# Altium PCB DCAC_V2c.PcbDoc (part 5 of 7) (continued)
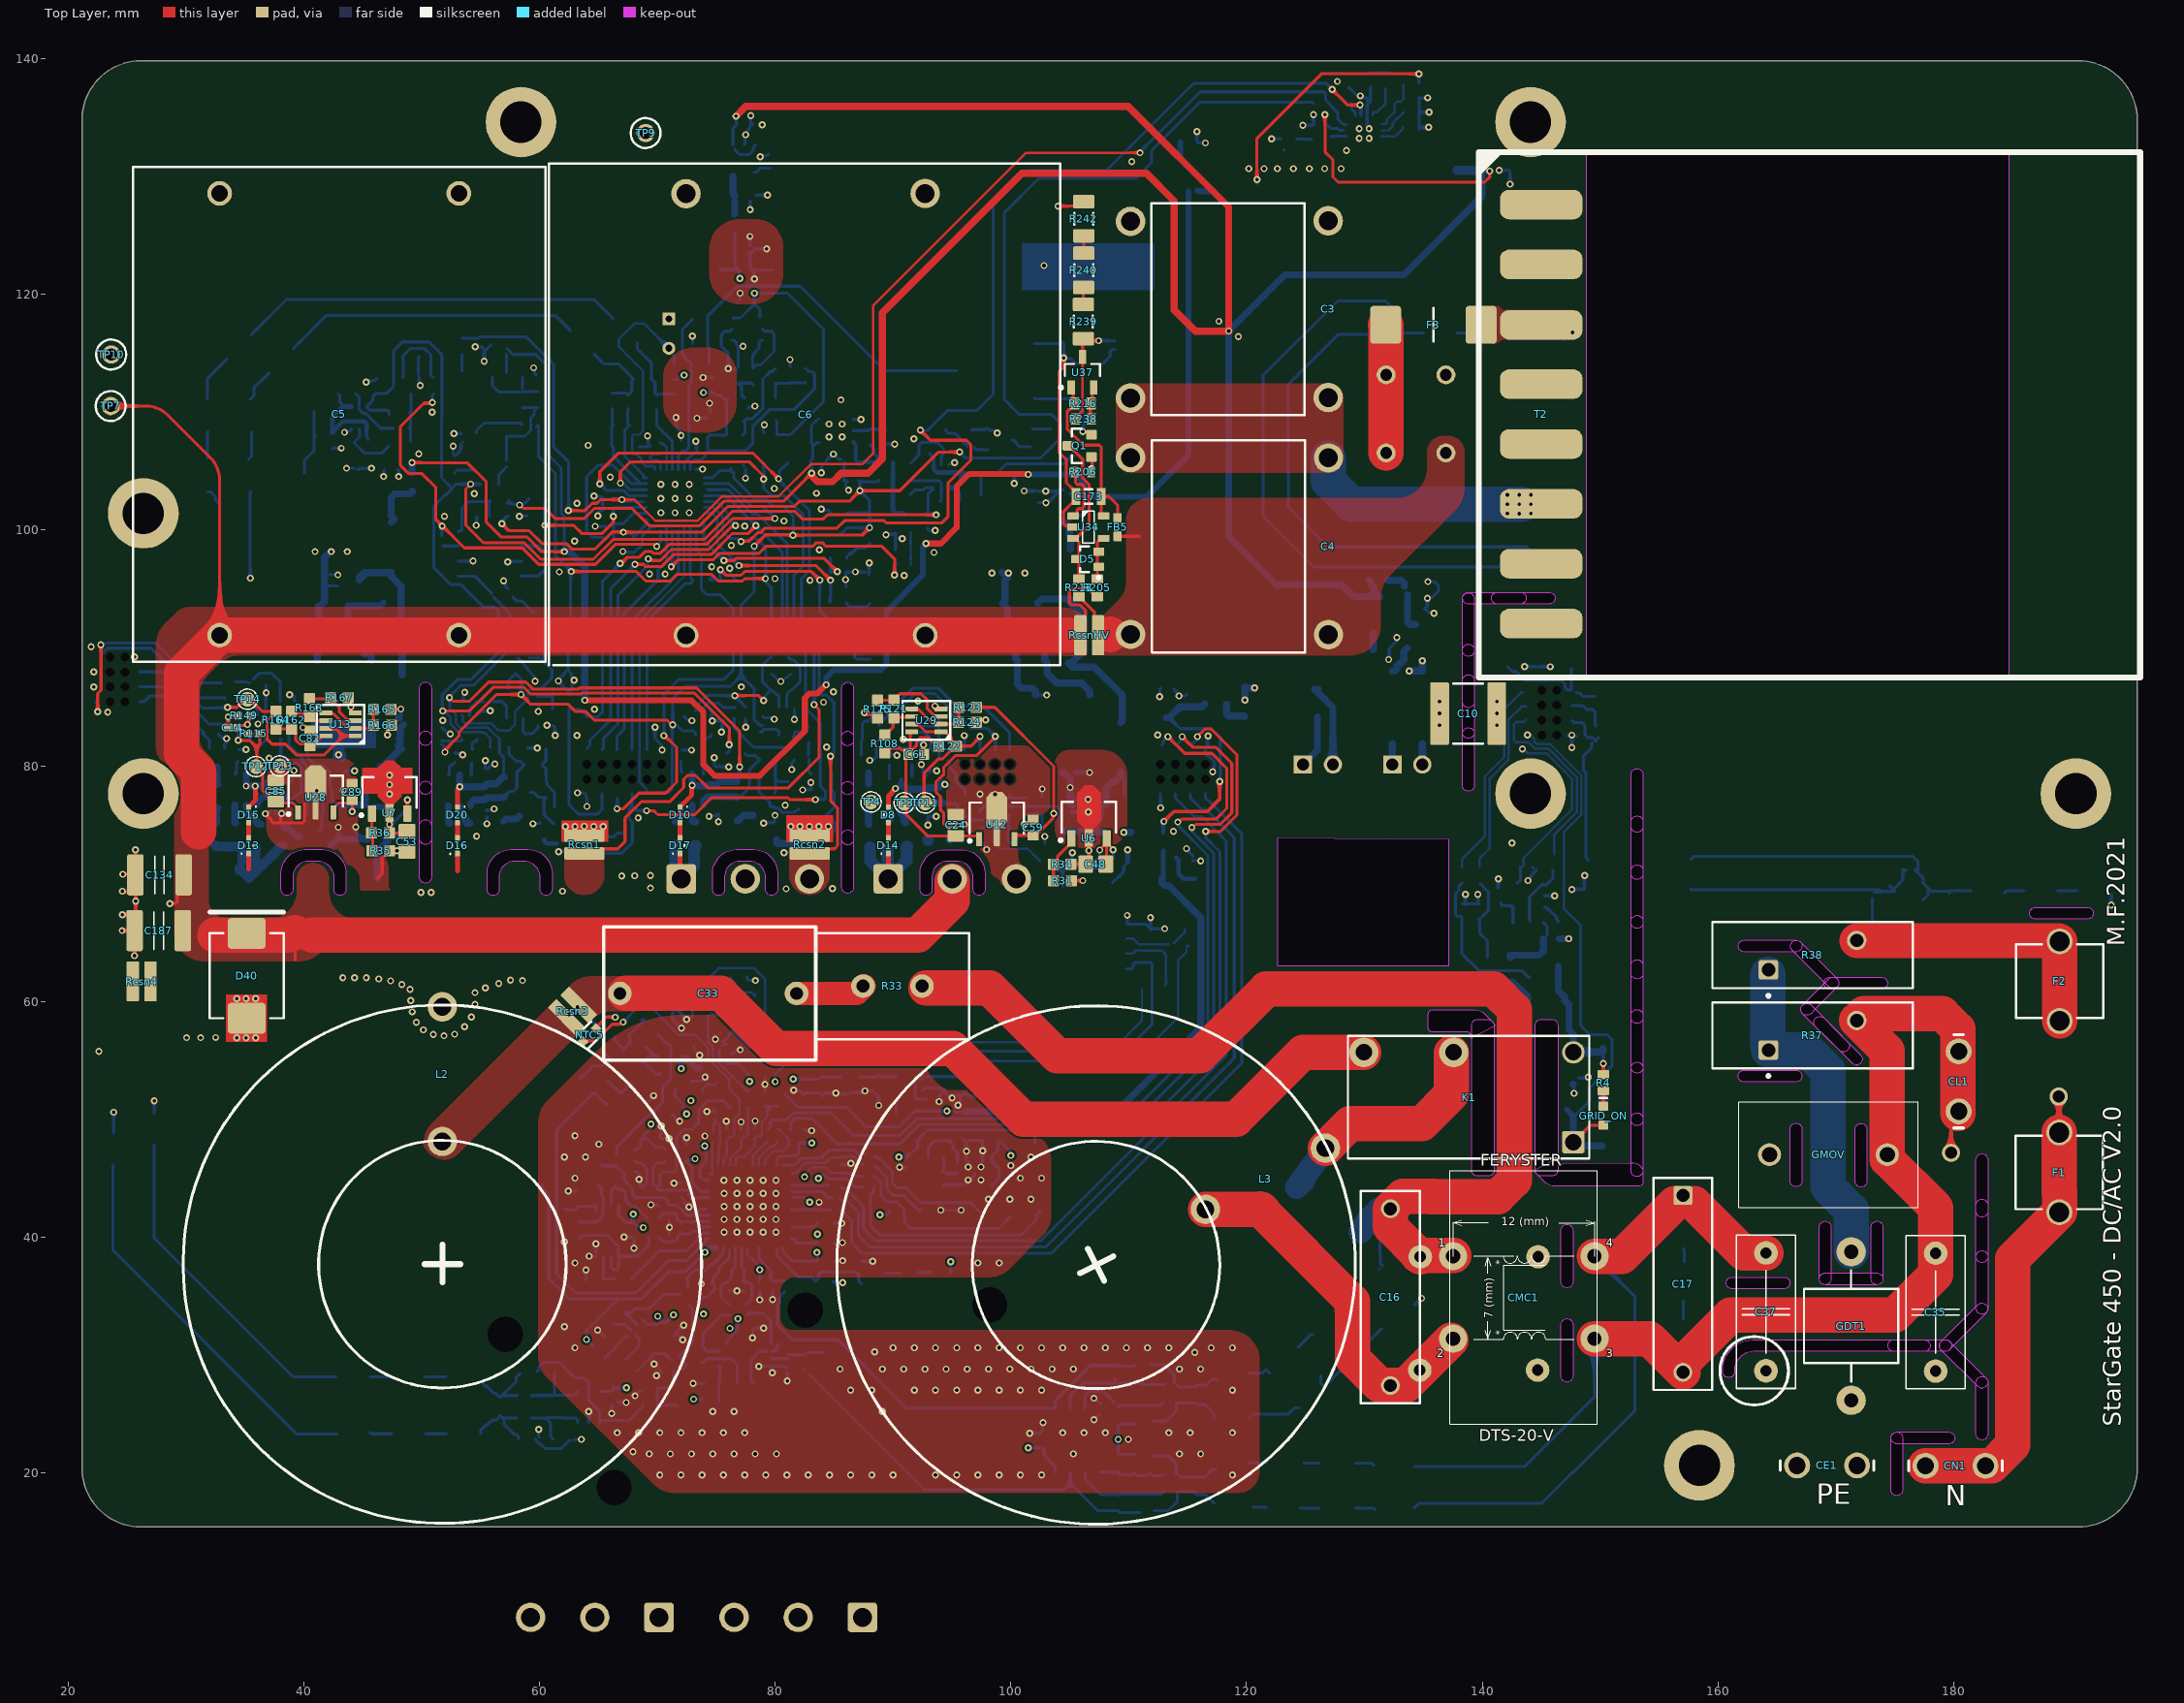
[diagram p0: Top Layer view]
## Nets (pads, with @x,y where several pads share a name; then routed paths per layer and width w, separated by ;. In a path a pad name is that pad's centre, name@x,y a point inside that pad or via, vN(x,y) a via of type N, cw(c..) or ccw(c..) an arc to the next point about the centre after c; other vN are vias at no path point) (continued)
NetC119_2: C119.2 R103.2 U16.2 | length 2
  Bottom Layer w0.254: U16.2@54.05,84.3 54.088,84.338 54.088,84.863 54.6,85.375 54.6,85.425 R103.2@55.25,85.425
NetC120_2: C120.2 R107.2 U15.2 | length 2.7
  Bottom Layer w0.254: U15.2@59.825,85.9 61.025,85.9 C120.2@61.1,85.975 ; R107.2@61.1,84.825 C120.2@61.1,85.975 ; C120.2@61.1,86.225 61.1,86.05 C120.2@61.1,85.975
NetC121_2: C121.2 R95.2 R253.1 U15.1 U16.1 | length 15.9
  Bottom Layer w0.203: U16.1@53.4,84.3 53.498,84.202 53.498,83.768 53.65,83.616 55.884,83.616 56.525,82.975 57.4,82.975 57.9,83.475 57.9,84.575 59.004,85.679 59.004,86.356 59.123,86.475 U15.1@59.375,86.475 ; R253.1@59.15,89.15 60.05,89.15 60.35,88.85 60.4,88.8
  Bottom Layer w0.254: U15.1@60.144,86.55 60.2,86.55 60.223,86.573 60.223,86.629 60.599,87.005 60.605,87.005 61.043,87.443 61.043,88.143 C121.2@61.05,88.15 60.35,88.85 60.35,90.05 R95.2@61.075,90.775
NetC124_2: C124.2 Q22.3 | length 1.5
  Bottom Layer w0.6: C124.2@76.8,75.325 76.85,75.325 77.3,75.775 Q22.3@78.119,75.775
NetC125_2: C125.2 Q34.3 | length 1.5
  Bottom Layer w0.6: C125.2@56.95,75.275 57.15,75.475 58.051,75.475 Q34.3@58.294,75.718
NetC129_2: C129.2 U14.4 | length 1.5
  Bottom Layer w0.254: U14.4@78.225,130.4 78.45,130.4 78.498,130.448 78.498,130.504 78.719,130.725 C129.2@79.575,130.725
NetC130_1: C130.1 D22.1 D22.2 R136.2 U8.3 | length 6.2
  Bottom Layer w0.254: R136.2@59.281,24.654 60.383,24.654 60.481,24.556 60.481,24.554 60.556,24.629 D22.2@60.606,24.679 ; D22.2@60.631,24.554 60.931,24.254 60.931,23.079 C130.1@61.156,22.854 ; D22.2@60.631,24.679 D22.1@61.906,24.679 61.956,24.629 63.058,24.629 63.231,24.456 U8.3@63.231,24.279
NetC133_2: C133.2 R60.2 U32.5 | length 4.2
  Bottom Layer w0.254: U32.5@78.614,39.106 78.614,38.161 79.607,37.168 79.607,36.458 C133.2@79.775,36.29 ; C133.2@79.95,36.207 79.95,36.24 79.993,36.283 80.793,36.283 R60.2@80.8,36.275
NetC135_2: C135.2 R68.2 U32.25 | length 4.8
  Bottom Layer w0.2: R68.2@74.739,48.833 R68.2@74.739,49.014 ; R68.2@74.75,49.025 R68.2@74.766,49.041 ; C135.2@75.077,49.63 75.087,49.63 75.303,49.414 75.303,47.767 75.186,47.65 75.186,46.57 75.164,46.548 75.164,46.156 U32.25@75.114,46.106
  Bottom Layer w0.254: R68.2@74.75,49.025 74.75,49.456 74.831,49.673 74.831,49.722 C135.2@74.925,49.922
NetC145_1: C145.1 D32.1 D32.2 R49.2 U19.3 | length 8.1
  Bottom Layer w0.254: U19.3@106.285,25.45 106.285,26.535 106.675,26.925 107.8,26.925 108.8,25.925 C145.1@108.8,25.9 ; C145.1@109.1,25.575 109.25,25.725 D32.2@110.5,25.725 D32.1@111.8,25.725 112.7,25.725 R49.2@112.9,25.925
NetC146_1: C146.1 R80.1 R83.1 R194.2 | length 7.1
  Bottom Layer w0.254: R194.2@111.8,29.15 113.05,29.15 113.852,28.348 113.852,27.698 R83.1@114.125,27.425 ; R83.1@114.125,27.4 114.25,27.275 C146.1@115.725,27.275 ; C146.1@115.725,27.425 116.606,27.425 116.802,27.621 116.802,27.677 117.05,27.925 R80.1@117.5,27.925
NetC146_2: C146.2 R40.1 R47.1 R49.1 | length 6.7
  Bottom Layer w0.254: R40.1@112.1,24.375 113.175,24.375 114.043,25.243 114.043,25.843 R49.1@114.125,25.925 ; R49.1@114.225,25.925 C146.2@115.725,25.925 ; C146.2@115.775,25.85 115.857,25.768 116.457,25.768 117.25,24.975 R47.1@117.25,24.65
NetC147_1: C147.1 D32.3 R83.2 U19.2 | length 9.9
  Bottom Layer w0.254: U19.2@105.015,25.45 105.015,26.515 105.5,27 105.55,27.05 106.1,27.6 111.125,27.6 D32.3@111.15,27.625 ; C147.1@108.777,27.998 108.902,27.873 C147.1@108.902,27.752 ; D32.3@111.15,27.475 R83.2@113.05,27.475
NetC149_2: C149.2 Q16.1 R43.1 | length 13.2
  Bottom Layer w0.254: R43.1@138.3,70.05 138.293,70.05 138.02,69.777 138.02,69.424 137.745,69.149 137.745,67.38 137.902,67.223 138.177,67.223 138.25,67.15 138.25,64.075 139.71,62.615 143.36,62.615 143.925,62.05 Q16.1@144,62.05
NetC151_2: C151.2 U4.4 | length 1.2
  Bottom Layer w0.254: C151.2@90.235,50.5 90.273,50.538 U4.4@90.273,51.717
NetC154_1: C154.1 R190.1 R196.1 R197.1 | length 6.1
  Bottom Layer w0.254: R190.1@55.175,27.675 55.175,27.568 55.414,27.33 55.52,27.33 56.098,26.752 56.258,26.752 56.631,26.379 C154.1@56.631,26.354 C154.1@56.831,26.554 ; R196.1@58.106,26.554 C154.1@56.831,26.554 ; R197.1@58.331,28.404 58.016,28.089 58.016,27.739 57.029,26.752 57.004,26.752 56.831,26.579 C154.1@56.831,26.554
NetC154_2: C154.2 R44.1 R135.1 R136.1 | length 6.2
  Bottom Layer w0.254: R135.1@55,23.275 55,23.6 55.448,24.048 55.548,24.048 55.965,24.465 56.315,24.465 C154.2@56.5,24.65 ; C154.2@56.631,24.854 C154.2@56.831,24.654 ; R136.1@58.081,24.654 C154.2@56.831,24.654 ; R44.1@58.231,22.879 58.231,23.029 58.033,23.227 57.883,23.227 56.972,24.139 56.972,24.514 C154.2@56.831,24.654
NetC157_2: C157.2 FB19.1 R6.2 U25.3 | length 5
  Bottom Layer w0.254: R6.2@92.965,46.767 92.965,47.59 93.277,47.902 93.277,47.977 93.5,48.2 FB19.1@93.575,48.2 ; FB19.1@93.575,48.167 C157.2@94.89,48.167 ; C157.2@94.865,48.067 95.088,47.844 95.088,47.519 95.465,47.142 U25.3@95.465,46.342
NetC159_2: C159.2 R215.1 U26.5 U26.6 | length 7.6
  Bottom Layer w0.254: R215.1@78.1,113.807 C159.2@78.1,114.85 ; R215.1@78.125,113.75 78.387,114.012 78.747,114.012 79.9,115.165 79.9,116.65 79.673,116.877 79.098,116.877 U26.5@78.925,117.05 ; C159.2@78.225,114.875 78.225,115.025 78.619,115.419 78.619,115.927 78.792,116.1 U26.6@78.925,116.1
NetC166_1: C166.1 D22.3 R196.2 U8.4 | length 5.9
  Bottom Layer w0.254: R196.2@59.306,26.554 D22.3@61.156,26.554 ; C166.1@61.256,28.475 61.256,26.704 D22.3@61.256,26.579 63.058,26.579 63.231,26.752 U8.4@63.231,26.879
NetC166_2: C166.2 R137.2 R197.2 U8.1 | length 13.8
  Bottom Layer w0.254: R197.2@59.756,28.579 59.954,28.777 59.954,29.013 60.316,29.375 61.685,29.375 62.258,28.802 62.258,28.752 62.606,28.404 C166.2@62.656,28.404 ; C166.2@62.656,28.379 62.979,28.056 63.779,28.056 64.156,27.679 64.156,26.154 65.106,25.204 65.106,24.204 65.106,24.254 U8.1@65.131,24.279 65.256,24.404 U8.1@65.256,24.42 ; U8.1@65.272,24.42 67.574,24.42 68.796,25.642 R137.2@68.796,25.692
NetC168_1: C168.1 R211.2 R212.1 U24.4 | length 3.9
  Bottom Layer w0.254: U24.4@80.025,111.225 80.025,112.425 80,112.45 81.15,112.45 R212.1@81.225,112.525 81.25,112.5 82.55,112.5 R211.2@82.575,112.525
NetC168_2: C168.2 R214.2 U24.1 | length 7.3
  Bottom Layer w0.254: R214.2@77.225,108.05 77.425,108.25 77.425,109.152 77.352,109.225 77.325,109.225 77.568,109.468 78.068,109.468 78.95,110.35 78.95,112.825 79.577,113.452 79.752,113.452 C168.2@80,113.7
NetC170_2: C170.2 R215.2 U24.3 | length 3.7
  Bottom Layer w0.254: C170.2@76.85,112.425 76.875,112.425 76.925,112.475 78,112.475 R215.2@78.125,112.35 ; C170.2@76.9,112.425 77.148,112.177 U24.3@77.148,111.398 ; U24.3@77.148,111.398 U24.3@77.252,111.398 ; U24.3@77.148,111.398 77.321,111.225 U24.3@77.425,111.225 ; U24.3@77.252,111.398 U24.3@77.425,111.225 ; U24.3@77.252,111.398 U24.3@77.425,111.225 ; U24.3@77.252,111.398 U24.3@77.425,111.225
NetC173_1: C173.1 D42.1 Q2.1 Q6.3 U34.2 | length 21.5
  Top Layer w0.254: v1(104.475,114.625) 104.475,113.825 104.075,113.425 104.075,106.6 104.7,105.975 104.7,104.025 105.277,103.448 105.525,103.2 105.525,102.5 105.277,102.252 105.14,102.252 104.47,101.582 104.47,100.53 104.619,100.381 105.144,100.381 U34.2@105.275,100.25
  Bottom Layer w0.254: Q2.1@101.975,115.825 104.15,115.825 104.308,115.983 104.475,115.817 v1(104.475,114.625) ; v1@104.525,114.625 104.591,114.559 105.066,114.559 105.5,114.125 D42.1@105.65,114.125
NetC173_2: C173.2 FB5.1 R216.2 U34.5 U37.1 | length 15.9
  Top Layer w0.254: U37.1@105.125,112.1 105.125,111.925 105.288,111.762 R216.2@105.288,110.912 ; R216.2@105.4,110.75 105.4,110.7 104.77,110.07 104.77,108.585 106.145,107.21 107.496,107.21 107.675,107.031 C173.2@107.675,102.85 ; U34.5@107.875,101.2 107.848,101.2 107.675,101.373 C173.2@107.675,102.85 ; FB5.1@109.05,101.025 109.05,102.125 108.325,102.85 C173.2@107.675,102.85
NetC174_2: C174.2 R246.2 U30.5 | length 2.8
  Bottom Layer w0.254: R246.2@65.525,29.75 65.565,29.75 66.405,30.59 66.41,30.59 66.41,30.646 67.307,31.544 67.456,31.544 U30.5@67.5,31.5
NetC177_1: C177.1 R258.2 | length 1.3
  Bottom Layer w0.254: R258.2@124.26,133.175 125.44,133.175 C177.1@125.515,133.1
NetC177_2: C177.2 U40.2 | length 1.3
  Bottom Layer w0.254: C177.2@127.155,133.405 127.175,133.425 U40.2@128.475,133.425
NetC178_1: C178.1 R247.2 | length 1.4
  Bottom Layer w0.508: C178.1@114.325,131.575 114.375,131.625 R247.2@114.375,132.925
NetC179_2: C179.2 C180.2 C181.2 C182.2 D35.2 FB7.1 R198.2 | length 20.6
  Top Layer w0.254: v1(120.875,129.75) 120.875,133.25 126.35,138.725 v1(134.625,138.725)
  Bottom Layer w0.254: v1(120.875,129.75) 120.9,129.725 120.9,129.4 ; R198.2@134.625,137.95 v1@134.625,138.7
NetC183_1: C183.1 R251.2 | length 1.6
  Bottom Layer w0.254: R251.2@130.5,138.825 C183.1@132.125,138.825
NetC183_2: C183.2 C185.2 U40.8 | length 2.9
  Bottom Layer w0.203: U40.8@130.7,135.2 130.7,135.4 130.773,135.473 131.073,135.473 131.8,136.2 C183.2@131.8,137.475
NetC184_2: C184.2 U40.10 | length 2.6
  Bottom Layer w0.203: U40.10@131.475,133.925 132.05,133.925 132.389,134.264 132.389,134.539 132.927,135.077 132.977,135.077 133.3,135.4 C184.2@133.3,135.45
NetC186_1: C186.1 R257.2 | length 1.4
  Bottom Layer w0.6: R257.2@130.7,89.845 130.75,89.895 130.75,91.245 C186.1@130.76,91.255
NetC190_2: C190.2 U38.4 | length 1.8
  Bottom Layer w0.2: C190.2@73.777,52.223 73.777,52.502 74.291,53.016 74.457,53.016 74.571,52.902 74.854,52.902 U38.4@74.996,53.044
NetCN1_1: CN1.1 CN1.2 F1.1 F1.2 R27.2 TP26.1 | length 59.2
  Top Layer w0.254: TP26.1@188.915,51.925 188.942,51.898 188.942,48.653 F1.2@188.96,48.635
  Top Layer w3: CN1.1@177.62,20.59 CN1.2@182.7,20.59 183.248,20.59 185.005,22.347 185.005,38.145 F1.1@188.97,42.11 188.995,42.135 188.995,43.795 ; 188.97,43.815 F1.2@188.97,48.87
  BOTT_RTN w0.254: TP26.1@188.915,51.925 193.375,56.385 v1(193.375,68.175) v1@193.375,68.25
  Bottom Layer w0.254: F1.2@188.97,48.87 F1.2@189.314,49.214 ; R27.2@193.325,69.15 193.375,69.1 v1(193.375,68.175)
NetD2_1: D2.1 R84.1 U32.37 | length 6.8
  Bottom Layer w0.2: U32.37@81.663,45.38 82.58,46.297 84.275,46.297 84.458,46.48 84.458,46.493 84.72,46.755 D2.1@85.58,46.755
  Bottom Layer w0.254: U32.37@81.42,45.355 U32.37@81.444,45.379 ; D2.1@85.58,46.735 85.648,46.803 86.118,46.803 86.169,46.855 86.671,46.855 87.327,46.198 87.447,46.198 R84.1@87.51,46.135
NetD2_4: D2.4 R200.1 U32.41 | length 8.3
  TOP_RTN w0.5: v1@82.945,42.975 82.93,42.99 82.93,44.231 83.655,44.956 v1(83.655,44.983)
  Bottom Layer w0.254: U32.41@81.52,43.365 81.529,43.356 82.451,43.356 82.836,42.97 v1(82.93,42.97) ; v1(83.655,44.983) 83.708,44.983 84.085,45.36 84.52,44.925 86.075,44.925 86.735,44.265 R200.1@87.43,44.265
NetD2_5: D2.5 R109.1 U32.36 | length 7.8
  Bottom Layer w0.254: U32.36@80.614,46.106 81.636,46.106 82.232,46.702 83.562,46.702 83.59,46.73 83.59,46.77 84.02,46.77 84.053,46.803 84.053,46.874 84.554,47.375 86.761,47.375 87.094,47.042 87.649,47.042 R109.1@87.662,47.03
NetD5_1: D5.1 D5.2 R205.2 U34.4 | length 3.6
  Top Layer w0.254: R205.2@107.325,95.85 107.325,98.95 107.6,99.225 U34.4@107.7,99.225
NetD5_3: D5.3 Q1.3 R213.2 U34.3 | length 12.9
  Top Layer w0.254: Q1.3@104.9,107.15 104.95,107.15 106.08,106.02 106.08,104.437 106.637,103.88 106.637,100.424 105.685,99.473 105.648,99.473 105.475,99.3 U34.3@105.275,99.3 ; U34.3@105.475,99.25 105.525,99.25 105.775,99 105.775,97.525 R213.2@105.775,95.85
NetD8_2: D8.2 D14.2 | length 1.3
  Top Layer w0.4: D14.2@89.6,73.885 D8.2@89.6,75.15
NetD10_2: D10.2 D17.2 | length 1.3
  Top Layer w0.4: D10.2@71.925,75.165 71.925,73.925 D17.2@71.95,73.9
NetD11_1: D11.1 IC1.23 R112.1 | length 16.2
  Top Layer w0.254: v1(76.925,96.988) 83.449,96.988 v1(84.69,95.747)
  Bottom Layer w0.254: IC1.23@73.975,101.425 73.977,101.423 74.641,101.423 74.796,101.268 74.807,101.268 75.085,100.99 75.085,98.828 v1(76.925,96.988) ; R112.1@84.625,93.875 84.65,93.9 84.65,94.312 84.7,94.363 84.7,95.102 84.69,95.112 v1(84.69,95.747)
NetD12_1: D12.1 IC1.24 R111.1 | length 16.1
  Top Layer w0.254: v1(75.638,97.42) 76.501,97.42 76.674,97.593 84.157,97.593 v1(85.275,96.475)
  Bottom Layer w0.254: IC1.24@73.95,100.875 73.95,99.108 v1(75.638,97.42) ; R111.1@84.675,97.625 84.69,97.61 D12.1@84.69,96.425 85.225,96.425 v1(85.275,96.475)
NetD13_2: D13.2 D15.2 | length 1.3
  Top Layer w0.4: D13.2@35.325,73.885 D15.2@35.325,75.165
NetD16_2: D16.2 D20.2 | length 1.4
  Top Layer w0.4: D16.2@53.025,73.835 53.025,75.19 D20.2@53.025,75.2
NetD18_1: D18.1 D19.2 | length 1.3
  Bottom Layer w0.8: D18.1@150.2,51.01 150.225,51.035 D19.2@150.225,52.3
NetD19_1: D19.1 K1.4 Q16.3 R4.1 R10.2 | length 12.4
  Top Layer w0.254: v1(150.275,54.725) 150.275,53.975 R4.1@150.325,53.925
  Bottom Layer w0.254: D19.1@150.262,55.712 150.262,54.738 v1(150.275,54.725)
  Bottom Layer w0.6: Q16.3@146.45,62.975 146.45,60.925 146.975,60.4 R10.2@146.975,60.125 147.35,59.75 147.35,59.124 147.35,57.585 147.73,57.205 K1.4@147.73,55.675 ; K1.4@147.827,55.81 147.925,55.712 150.188,55.712 150.25,55.775 D19.1@150.25,56.025
NetD25_1: D25.1 D26.K Q4.1 Q9.4 R24.1 | length 13.3
  Bottom Layer w0.254: Q4.1@102.275,86.075 ccw(c102.35,86.075) 102.35,86 v1(103.025,86)
  Bottom Layer w0.6: Q9.4@99.232,96.439 99.725,95.946 99.668,95.946 99.497,95.775 99.497,93.997 R24.1@99.3,93.8 99.725,93.375 99.725,91.875 100.375,91.225 100.375,90.542 100.392,90.525 100.392,89.058 D25.1@100.475,88.975 ; D25.1@100.55,88.975 100.55,86.926 100.901,86.575 101.85,86.575 102.1,86.325 102.1,86.075 Q4.1@102.1,86
  other v1: 98.375,96.35 99.775,96.35 101.175,96.35
NetD27_1: D27.1 D28.K Q5.1 Q11.4 R30.1 | length 11.7
  Bottom Layer w0.254: R30.1@42.1,95.25 42.825,95.25 ccw(c42.825,95.275) 42.85,95.275 ; R30.1@42.225,96.225 ccw(c42.25,96.225) 42.25,96.2 v1(42.875,96.2)
  Bottom Layer w0.6: Q5.1@41.125,89.175 Q5.1@41.125,88.95 41.125,90.875 41.1,90.9 40.85,90.9 D27.1@41.275,91.325 41.25,91.35 D28.K@41.25,93.575 ; D28.K@41.25,93.525 D28.K@41.25,93.575 ; R30.1@41.75,95.475 41.75,93.926 41.399,93.575 D28.K@41.25,93.575 ; R30.1@41.75,95.75 41.75,97.675 Q11.4@42.3,98.225
  other v1: 40.95,98.175 42.325,98.175 43.675,98.175
NetD29_1: D29.1 Q28.3 R150.2 R155.1 | length 8.2
  Bottom Layer w0.254: Q28.3@38.65,83.475 38.73,83.395 38.73,81.745 39.425,81.05 R150.2@39.45,81.05 ; R150.2@39.5,80.975 39.848,80.627 39.848,80.358 40.237,79.97 40.237,76.987 40.233,76.983 40.233,75.843 D29.1@40.215,75.825
NetD29_2: D29.2 Q27.1 R155.2 TP19.1 | length 4.8
  Bottom Layer w0.254: TP19.1@41.275,78.975 41.275,78.8 41.685,78.39 41.685,77.035 R155.2@41.65,77 41.593,76.943 41.593,75.882 D29.2@41.535,75.825 41.535,74.666 41.444,74.575 Q27.1@41.276,74.575
NetD30_1: D30.1 Q31.3 R188.1 R209.1 | length 3.8
  Bottom Layer w0.254: R188.1@99.825,75.825 99.8,75.8 99.8,74.775 99.863,74.712 99.775,74.625 99.77,74.62 99.77,73.49 99.78,73.5 99.81,73.5 99.845,73.465 100.19,73.465 100.502,73.777 100.502,73.952 100.625,74.075 Q31.3@100.8,74.075
NetD30_2: D30.2 Q30.1 R209.2 TP8.1 | length 6.8
  Bottom Layer w0.2: Q30.1@97.426,74.75 98.35,74.75 98.49,74.61 98.49,73.525 D30.2@98.49,73.5 ; D30.2@98.525,73.505 99.08,72.95 101.425,72.95 TP8.1@102.475,71.9
NetD33_1: D33.1 Q32.3 R143.2 R229.1 | length 4.3
  Bottom Layer w0.254: D33.1@79.925,77.675 80.025,77.775 R229.1@80.025,78.875 ; R229.1@80,79.025 R229.1@80,78.9 ; R143.2@80.175,80.525 80,80.35 R229.1@80,78.9 ; Q32.3@81.125,78.65 80.275,78.65 80.05,78.875 R229.1@80.025,78.875 ; R229.1@80,78.9 R229.1@80.025,78.875 ; R229.1@80,78.9 R229.1@80.025,78.875
NetD33_2: D33.2 Q22.1 R229.2 TP52.1 | length 5.6
  Bottom Layer w0.254: R229.2@78.6,79.025 78.607,79.018 78.607,77.768 D33.2@78.65,77.725 ; D33.2@78.615,77.775 78.655,77.775 79.548,76.882 79.548,76.591 79.614,76.525 Q22.1@79.8,76.525 ; Q22.1@79.876,76.5 79.967,76.409 80.23,76.409 80.597,76.043 81.618,76.043 81.875,76.3 TP52.1@82.025,76.3
NetD34_1: D34.1 Q35.3 R175.2 R235.1 | length 5.6
  Bottom Layer w0.254: Q35.3@60.525,81.45 60.525,81.421 60.548,81.398 60.548,80.423 R175.2@60.2,80.075 60.548,79.727 60.548,79.308 60.575,79.281 D34.1@60.575,78.7 ; D34.1@60.575,78.62 D34.1@60.575,78.66 60.648,78.587 60.648,78.352 61.25,77.75 R235.1@61.25,76.475
NetD34_2: D34.2 Q34.1 R235.2 TP54.1 | length 4.3
  Bottom Layer w0.254: TP54.1@59.225,77.75 59.467,77.75 59.877,77.34 D34.2@60.575,77.34 60.575,77.3 60.379,77.104 60.379,76.504 Q34.1@60.337,76.463 ; Q34.1@60.325,76.475 Q34.1@60.337,76.463 ; R235.2@61.225,75.125 61.125,75.125 60.379,75.871 60.379,76.421 Q34.1@60.337,76.463
NetD35_1: D35.1 L7.2 U40.12 U40.13 U40.14
NetD39_1: D39.1 K1.3 L3.2 | length 20.5
  Top Layer w3: L3.2@126.688,47.542 128.771,49.625 134.875,49.625 137.372,52.122 K1.3@137.372,55.65
  Bottom Layer w2: D39.1@124.247,44.218 D39.1@124.853,44.824 ; D39.1@124.6,44.7 L3.2@126.688,47.542
NetD41_1: D41.1 R171.1 R177.2 | length 16.1
  Top Layer w0.254: v1(75.34,96.637) 75.37,96.637 75.837,96.17 77.095,96.17 77.414,96.489 83.056,96.489 v1(83.785,95.76)
  Bottom Layer w0.254: R177.2@74.45,95.8 74.475,95.775 D41.1@75.365,95.775 75.353,95.787 75.353,96.547 75.302,96.598 v1@75.3,96.6 ; R177.2@74.45,95.925 R177.2@74.623,96.098 ; v1(83.785,95.76) 83.775,95.75 83.775,93.15 84.725,92.2 R171.1@84.725,91.125
NetD42_2: D42.2 Q6.1 R238.1 R239.1 U37.3 | length 11.7
  Top Layer w0.2: 106.08,110.105 U37.3@106.08,114.695
  Top Layer w0.254: R238.1@105.475,109.425 105.475,109.5 106.08,110.105 ; U37.3@106.075,114.7 106.075,116.125 R239.1@106.1,116.15 ; R239.1@106.15,116.25 106.325,116.075 v1(107.45,116.075)
  Bottom Layer w0.254: v1(107.45,116.075) 108.8,116.075 Q6.1@108.85,116.025 ; D42.2@107.65,114.125 107.8,114.125 108.433,114.758 108.433,115.178 108.606,115.35 Q6.1@108.825,115.35
NetF3_1: F3.1 R2.2 T2.14 | length 1.6
  Top Layer w0.254: T2.14@147.35,116.675 147.45,116.775 v1(147.65,116.775)
  Bottom Layer w0.254: R2.2@146.975,116.125 146.975,116.652 147.098,116.775 v1(147.65,116.775)
NetGDT1_1: GDT1.1 R37.1 R38.1 | length 27.7
  Bottom Layer w3: 164.205,57 ccw(c164.205,57.025) 164.23,57.025 R38.1@164.23,62.3 ; R37.1@164.255,56.25 R37.1@164.255,56.61 ; R37.1@164.28,55.875 167.573,55.875 169.33,54.118 169.33,44.27 171.3,42.3 GDT1.1@171.3,38.75 ; R37.1@164.295,55.975 R37.1@164.337,55.933
NetGRID_ON_1: GRID_ON.1 R4.2 | length 1.6
  Top Layer w0.3: GRID_ON.1@150.275,51.1 150.275,52.2 150.5,52.2 150.3,52.4 R4.2@150.275,52.4
NetJ1_2: J1.2 R51.2 | length 67.5
  Bottom Layer w0.254: R51.2@85.55,42.3 86.478,41.373 86.478,39.522 87.37,38.63 103.435,38.63 119.6,54.795 119.6,74.21 116.788,77.022 116.748,77.022 116.505,77.265 J1.2@116.505,77.63
NetJ1_4: J1.4 R118.2 | length 67.1
  Bottom Layer w0.254: R118.2@85.54,43.24 85.672,43.108 86.067,43.108 87.053,42.122 87.053,40.122 88.01,39.165 102.94,39.165 118.95,55.175 118.95,73.915 116.565,76.3 116.2,76.3 115.235,77.265 J1.4@115.235,77.63
NetJ1_5: J1.5 R217.1 TP35.1 | length 74.4
  Top Layer w0.254: v1(114.525,82.475) 115.425,81.575 117.375,81.575 118.743,80.207 118.743,76.004 117.769,75.03 115.677,75.03 115.417,74.77 v1(115.355,74.77)
  Bottom Layer w0.254: R217.1@81.242,49.092 81.347,49.197 81.347,49.741 81.686,50.08 82.814,50.08 82.819,50.075 83.1,50.075 85.275,47.9 90.56,47.9 92.21,49.55 110.23,49.55 117.215,56.535 117.215,72.56 116.708,73.067 115.408,74.367 115.408,74.717 v1(115.355,74.77) ; J1.5@114.075,81.744 114.075,81.845 114.208,81.978 114.269,81.978 114.459,82.167 114.459,82.409 v1(114.525,82.475)
NetJ1_6: J1.6 R120.2 | length 66.7
  Bottom Layer w0.254: R120.2@85.535,44.27 85.664,44.141 85.954,44.141 87.484,42.611 87.484,40.691 88.475,39.7 102.54,39.7 118.275,55.435 118.275,73.614 116.212,75.677 115.553,75.677 J1.6@114.023,77.207 ; J1.6@113.943,77.207 J1.6@114.023,77.207 ; J1.6@113.965,77.63 113.965,77.265 J1.6@114.023,77.207
NetJ1_7: J1.7 R182.1 TP36.1 | length 76.7
  Top Layer w0.254: v1(113.325,82.475) 114.75,81.05 117.05,81.05 118.311,79.789 118.311,76.386 117.387,75.462 114.477,75.462 114.24,75.225 v1(114.155,75.225)
  Bottom Layer w0.254: R182.1@79.425,49.175 79.573,49.323 79.573,49.753 79.77,49.95 80.946,49.95 81.582,50.587 81.728,50.587 81.746,50.568 84.714,50.568 86.657,48.625 90.575,48.625 92,50.05 109.7,50.05 116.71,57.06 116.71,72.39 114.221,74.879 114.221,75.159 v1(114.155,75.225) ; J1.7@112.825,81.764 112.938,81.877 112.938,82.088 v1(113.325,82.475)
NetJ4_1: J4.1 R153.1 | length 4.6
  Bottom Layer w0.254: J4.1@26.045,85.42 26.41,85.42 26.93,85.94 28.685,85.94 29.685,84.94 29.685,84.625 R153.1@29.655,84.595
NetJ4_2: J4.2 R154.1 | length 18.4
  Top Layer w0.254: v1(22.5,84.6) 22.5,86.137 22.788,86.424 22.788,90.242 v1(22.765,90.265)
  Bottom Layer w0.254: J4.2@22.305,85.42 22.5,85.225 v1(22.5,84.6) ; v1(22.765,90.265) 22.831,90.331 23.076,90.331 23.152,90.407 27.418,90.407 30.8,87.025 R154.1@33.002,87.025
NetJ4_8: J4.8 R144.1 | length 12.7
  Bottom Layer w0.254: J4.8@22.865,89.375 22.865,89.51 23.331,89.975 27.025,89.975 31.225,85.775 R144.1@33.3,85.775 ; R144.1@33.15,85.825 R144.1@33.303,85.672
NetJ5_1: J5.1 R195.1 | length 15.9
  Bottom Layer w0.254: R195.1@88.8,83.475 88.8,83.575 89.023,83.798 89.093,83.798 89.545,84.25 89.545,85.139 89.821,85.415 90.485,85.415 91.645,86.575 93.85,86.575 95.35,85.075 97.6,85.075 99.905,82.77 J5.1@99.905,81.37
NetJ5_2: J5.2 R208.1 | length 2.3
  Bottom Layer w0.254: J5.2@99.662,77.275 99.905,77.518 J5.2@99.905,77.63 99.905,77.505 99.905,77.275 R208.1@101.35,77.275
NetJ5_8: J5.8 R172.1 | length 3.4
  Bottom Layer w0.254: R172.1@94.666,80.442 94.773,80.335 94.773,80.178 94.773,79.893 95.305,79.362 95.305,78.701 95.815,78.19 95.852,78.19 96.095,77.947 J5.8@96.095,77.63
NetLED2_1: LED2.1 R114.1 | length 1.2
  Bottom Layer w0.254: R114.1@92.125,36.975 92.15,37 LED2.1@93.275,37
NetLED3_1: LED3.1 R116.2 | length 1.5
  Bottom Layer w0.254: R116.2@101.825,108.575 LED3.1@103.375,108.575
NetQ1_1: Q1.1 R206.2 | length 1.3
  Top Layer w0.254: R206.2@106.82,104.9 R206.2@106.87,104.95 ; R206.2@106.9,104.95 Q1.1@106.9,106.2
NetQ1_2: Q1.2 Q2.3 | length 7.2
  Top Layer w0.254: v1(106.1,108.35) 106.65,108.35 Q1.2@106.9,108.1
  Bottom Layer w0.254: Q2.3@101.975,111.225 102.075,111.125 104.925,111.125 106.166,109.884 106.166,108.416 v1(106.1,108.35)
NetQ2_2: Q2.4 R241.2 R243.1 | length 29.3
  Bottom Layer w0.254: R243.1@74.4,114.1 74.375,114.125 74.375,115.5 74.275,115.6 74.275,118.205 76.774,120.705 82.114,120.705 89.294,113.525 Q2.4@95.375,113.525
NetQ3_2: Q3.2 Q16.2 R152.2 R259.2 | length 5.4
  Bottom Layer w0.254: R259.2@145.23,66.655 145.495,66.39 R152.2@145.495,65.62
  Bottom Layer w0.6: Q3.2@142.35,63.725 142.35,63.925 144.849,63.925 145.2,64.276 R152.2@145.2,65.325
NetQ3_3: Q3.3 R10.1 | length 3.4
  Bottom Layer w0.6: Q3.3@141.4,61.425 141.4,61.625 142.487,61.625 142.512,61.65 142.575,61.65 143.825,60.4 R10.1@143.825,60.125
NetQ7_3: Q7.3 R114.2 | length 1.3
  Bottom Layer w0.254: Q7.3@89.35,36.975 89.375,36.95 90.6,36.95 R114.2@90.625,36.975
NetQ8_1: Q8.1 Q8.4 R66.2 R71.1 R74.1 | length 7.9
  Bottom Layer w0.254: R66.2@93.1,106.5 93.298,106.302 93.298,106.283 93.45,106.131 Q8.1@93.45,105.5
  Bottom Layer w0.4: Q8.1@93.45,105.5 93.45,105.166 93.744,104.872 R71.1@95.997,104.872 ; Q8.4@94.75,103.55 Q8.4@94.75,103.6 95.15,103.6 95.576,103.174 95.576,102.551 R74.1@95.475,102.45 ; Q8.4@94.925,103.55 95.225,103.55 95.784,104.109 95.784,104.659 R71.1@95.997,104.872 ; R71.1@96,104.875 R71.1@95.997,104.872
NetQ8_2: Q8.2 R41.1 R66.1 | length 5.4
  Bottom Layer w0.254: R41.1@91.5,105.7 92.207,106.407 92.207,107.213 92.424,107.43 93.745,107.43 R66.1@94.3,106.875 ; Q8.2@94.1,105.5 94.1,106.3 R66.1@94.375,106.575
NetQ8_5: Q8.5 R74.2 R78.1 | length 4.2
  Bottom Layer w0.254: R78.1@91.575,104.175 91.576,104.174 93.926,104.174 94.075,104.025 94.075,103.675 94.05,103.65 Q8.5@94.1,103.6 ; R74.2@93.975,102.45 94.1,102.575 94.1,103.477 94.138,103.477 Q8.5@94.173,103.512
NetQ9_1: Q9.1 R71.2 R76.1 TP46.1 | length 10.2
  Bottom Layer w0.254: Q9.1@97.475,102.95 97.475,104.825 R71.2@97.525,104.875 ; R71.2@97.5,104.875 R71.2@97.525,104.875 ; R76.1@98.625,104.75 98.625,104.752 98.502,104.875 R71.2@97.525,104.875 ; R76.1@98.85,104.85 99.63,105.63 104.455,105.63 105.125,106.3 TP46.1@105.375,106.3
NetQ10_1: Q10.1 Q10.4 R70.2 R85.1 R87.1 | length 10.1
  Bottom Layer w0.254: R87.1@42.925,111.55 43.057,111.418 43.057,110.843 43.302,110.598 43.952,110.598 44.025,110.525 Q10.4@44.025,110.475 ; Q10.1@45.325,108.575 45.325,107.944 45.427,107.842 45.427,107.723 R70.2@45.475,107.675
  Bottom Layer w0.4: R85.1@42.4,108.3 42.525,108.3 42.525,108.425 43.325,109.225 45.125,109.225 45.325,109.025 Q10.1@45.325,108.575 ; R85.1@42.425,108.3 42.425,109.625 43.275,110.475 Q10.4@44.025,110.475
NetQ10_2: Q10.2 R69.1 R70.1 | length 4.8
  Bottom Layer w0.254: R70.1@44.275,107.4 45.15,106.525 46.6,106.525 R69.1@47.2,107.125 ; R70.1@44.325,107.525 44.725,107.925 44.725,108.525 Q10.2@44.675,108.575
NetQ10_5: Q10.5 R87.2 R224.1 | length 4.8
  Bottom Layer w0.254: R87.2@44.425,111.55 44.675,111.3 Q10.5@44.675,110.425 ; Q10.5@44.7,110.325 44.7,110.219 44.999,109.92 45.23,109.92 46.5,108.65 R224.1@47.55,108.65
NetQ11_1: Q11.1 R85.2 R223.1 TP47.1 | length 5.7
  Bottom Layer w0.254: Q11.1@40.01,104.834 40.057,104.882 40.057,105.932 40.527,106.402 R223.1@40.875,106.75 40.875,108 R85.2@40.9,108.025 ; TP47.1@40.875,110.025 40.875,108.1 R85.2@41,107.975
NetQ12_1: Q12.1 R81.2 R86.2 | length 2.8
  Bottom Layer w0.2: Q12.1@91.475,99.8 91.5,99.775 Q12.1@91.5,99.749 91.5,97.075 R81.2@91.525,97.05
NetQ12_3: Q12.3 R41.2 R67.2 R78.2 | length 5
  Bottom Layer w0.4: R41.2@90,105.7 90,104.375 89.988,104.363 89.988,103.062 R67.2@89.975,103.05 89.975,101.685 90.209,101.451 Q12.3@90.85,101.451
NetQ18_1: Q18.1 R225.2 R226.2 | length 6.8
  Bottom Layer w0.254: R226.2@48.35,114.65 48.425,114.575 Q18.1@48.425,113.251 48.425,113 Q18.1@48.375,112.95 ; R226.2@48.4,114.65 48.4,114.775 49.055,115.43 50.226,115.43 50.777,114.879 50.777,113.123 R225.2@50.95,112.95
NetQ18_3: Q18.3 R69.2 R79.2 R224.2 | length 4.3
  Bottom Layer w0.254: R224.2@48.95,108.7 R224.2@49.05,108.7 ; R69.2@49.05,107.525 R224.2@49.05,108.7 ; Q18.3@49.075,111.549 49.075,110.1 R79.2@48.95,109.975 48.975,109.975 49,110 49.05,109.95 R224.2@49.05,108.7
NetQ19_1: Q19.1 R119.2 R193.2 | length 3.8
  Bottom Layer w0.254: R193.2@94.475,108.525 94.475,108.425 94.698,108.202 95.248,108.202 96.152,107.298 96.252,107.298 96.325,107.225 R119.2@96.325,107.125 ; R119.2@96.875,107.025 96.875,106.946 96.998,106.823 Q19.1@98.035,106.823
NetQ19_3: Q19.3 R116.1 | length 1.8
  Bottom Layer w0.254: Q19.3@100.075,107.65 100.208,107.65 100.358,107.5 100.358,107.461 100.769,107.05 R116.1@101.65,107.05
NetQ20_1: Q20.1 R227.2 R230.2 TP51.1 | length 8.3
  Bottom Layer w0.254: Q20.1@82.824,73.95 R230.2@84.2,73.95 ; R230.2@84.275,73.85 84.662,74.237 84.757,74.237 85.111,74.591 85.111,75.092 84.626,75.577 84.473,75.577 R227.2@84.25,75.8 84.35,75.8 85.005,76.455 85.005,77.725 84.775,77.955 TP51.1@84.775,79.5
NetQ20_3: Q20.3 R174.1 | length 1.5
  Bottom Layer w0.6: R174.1@80.1,73.755 80.1,73.505 80.2,73.405 80.81,73.405 80.815,73.4 Q20.3@81.349,73.4
NetQ26_1: Q26.1 R153.2 R157.2 TP18.1 | length 5.9
  Bottom Layer w0.254: TP18.1@28.5,85.15 28.5,84.683 29.648,83.534 30.574,83.534 R153.2@30.645,83.605 31.202,83.048 31.277,83.048 31.55,82.775 R157.2@31.55,82.7 ; R157.2@31.425,82.7 31.55,82.575 31.6,82.575 31.823,82.352 31.826,82.352 31.975,82.203 Q26.1@31.975,81.501
NetQ26_3: Q26.3 R151.1 | length 1.5
  Bottom Layer w0.6: Q26.3@32.625,79.899 32.625,78.5 R151.1@32.7,78.425
NetQ28_1: Q28.1 R154.2 R158.2 | length 5.7
  Bottom Layer w0.254: R154.2@34.215,87.118 35.127,87.118 R158.2@35.4,87.025 ; R158.2@35.677,87.327 36.2,87.85 37.275,87.85 38,87.125 Q28.1@38,85.425
NetQ29_1: Q29.1 R195.2 R220.2 TP6.1 | length 4.3
  Bottom Layer w0.254: Q29.1@87.275,80.926 87.287,80.938 R220.2@87.287,82.1 ; R220.2@87.425,82.25 87.4,82.275 87.4,83.575 87.623,83.798 87.933,83.798 88.73,84.595 TP6.1@88.73,84.666
NetQ29_3: Q29.3 R189.1 | length 1
  Bottom Layer w0.6: R189.1@87.925,78.45 Q29.3@87.925,79.324 Q29.3@87.925,79.4
NetQ31_1: Q31.1 R208.2 R221.2 | length 2.2
  Bottom Layer w0.254: R208.2@101.35,75.875 R221.2@102.4,75.875 ; R221.2@102.65,75.85 102.65,74.825 Q31.1@102.75,74.725
NetQ32_1: Q32.1 R228.2 R231.2 | length 2.5
  Bottom Layer w0.254: R231.2@82.825,80.925 82.825,81.95 R228.2@82.85,81.975 ; R231.2@82.875,80.575 82.875,79.423 82.998,79.3 Q32.1@83.075,79.3
NetQ33_1: Q33.1 R233.2 R236.2 TP53.1 | length 4.2
  Bottom Layer w0.254: Q33.1@62.978,73.959 63.019,74 64.15,74 R236.2@64.2,73.95 64.225,73.975 R233.2@65.475,73.975 66.306,73.975 66.631,74.3 TP53.1@67.025,74.3
NetQ33_3: Q33.3 R176.1 | length 1.2
  Bottom Layer w0.4: R176.1@60.4,73.725 60.4,73.605 60.6,73.405 61.418,73.405 Q33.3@61.423,73.4
NetQ35_1: Q35.1 R234.2 R237.2 | length 2.9
  Bottom Layer w0.254: R234.2@58.6,84.025 58.6,82.875 58.743,82.732 59.382,82.732 59.875,83.225 Q35.1@59.875,83.4